# Altium PCB CoreBase-V2.0.PcbDoc (continued)
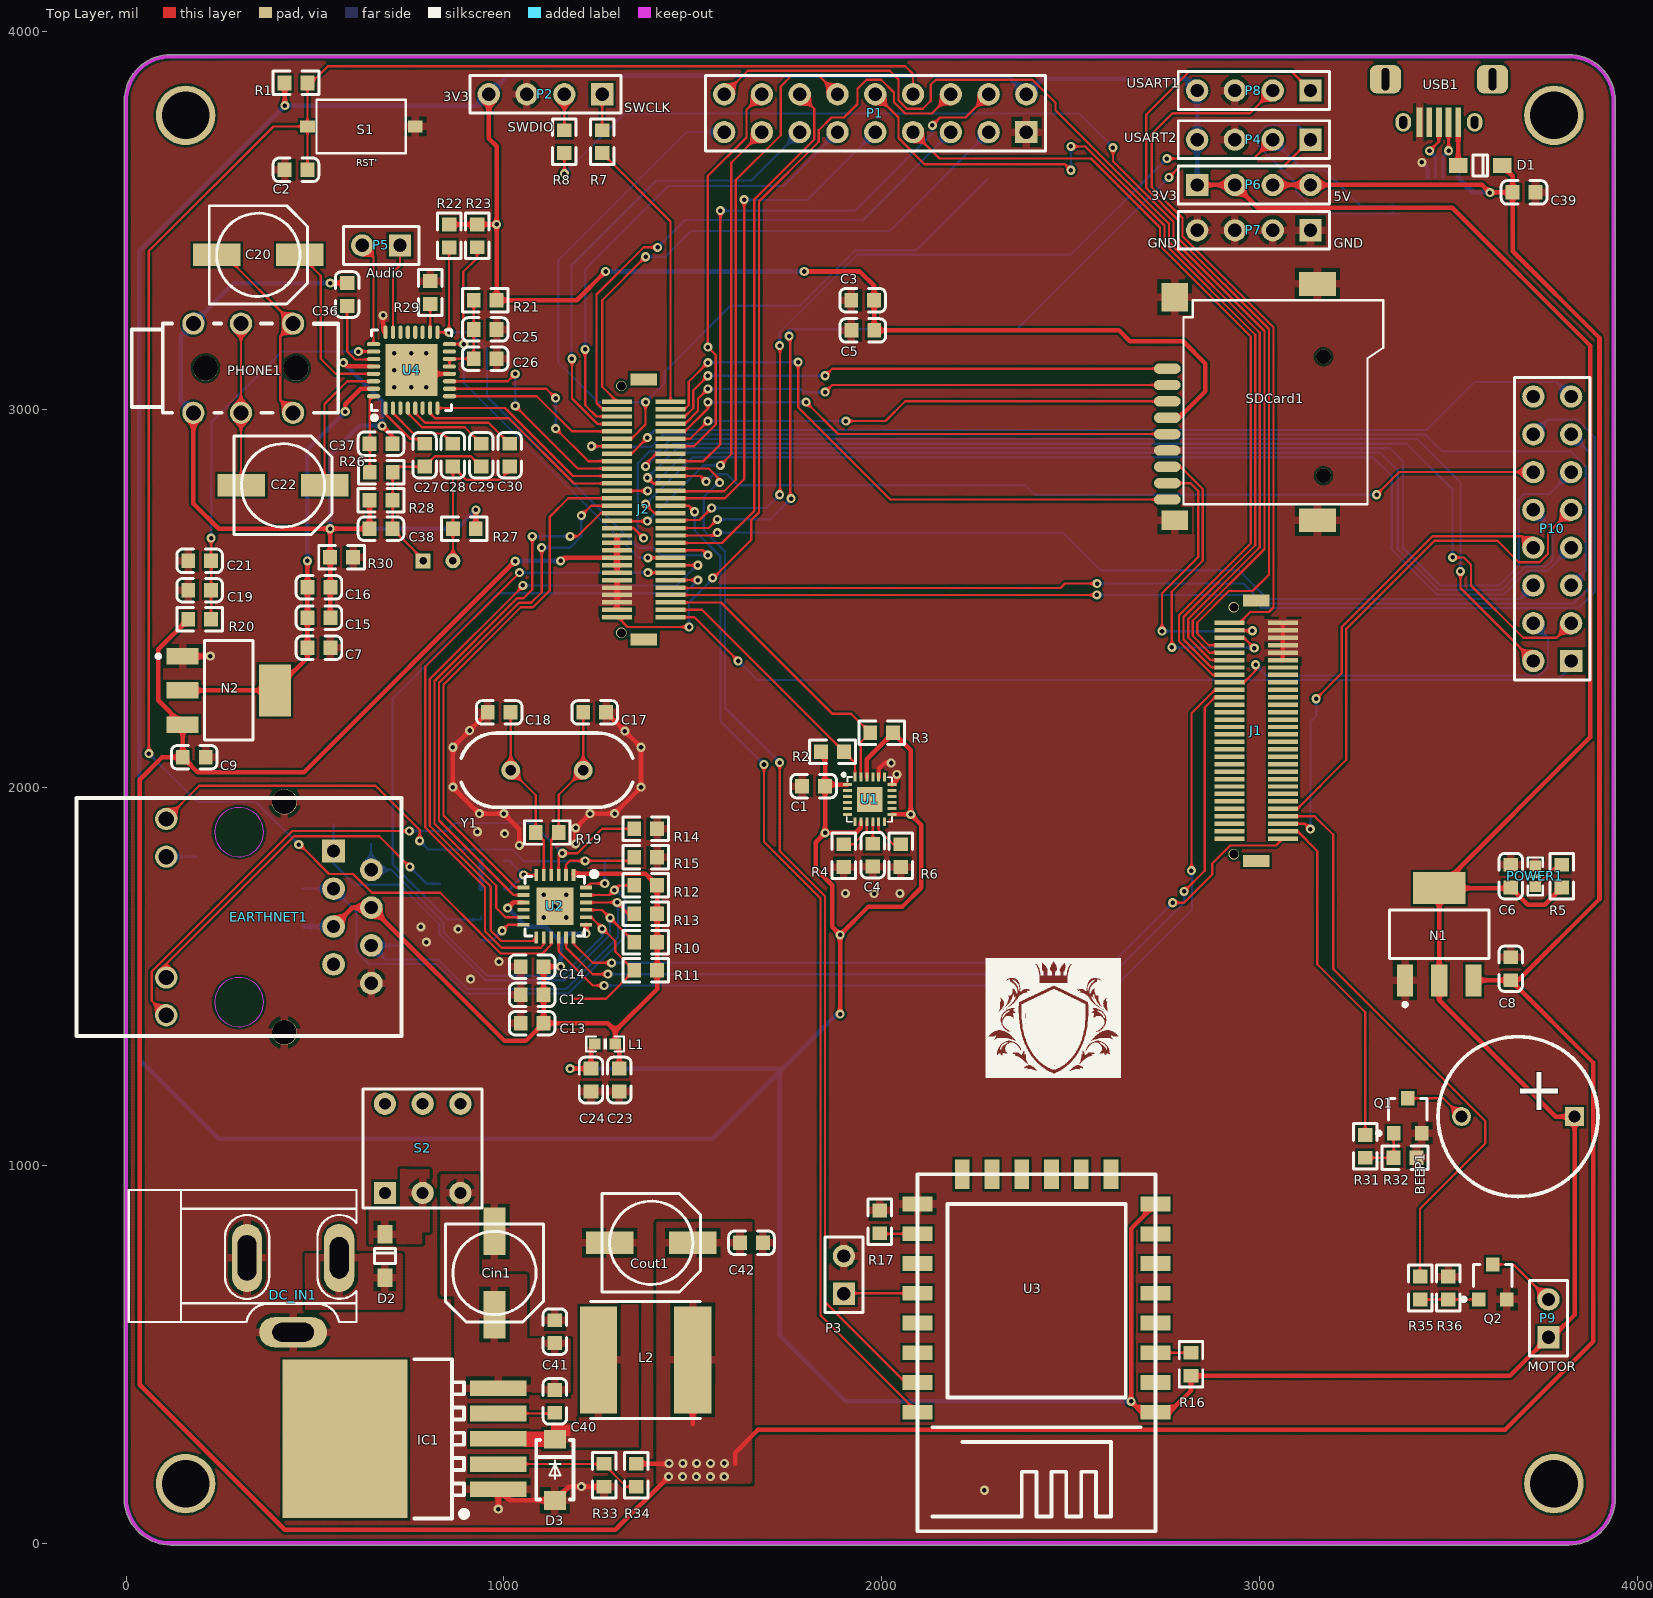
[diagram p0: Top Layer view]
## Footprints (in the part's own frame and the unit in brackets; to place one, negate y for a bottom-side part, rotate by r counter-clockwise, add the part's x,y. Pads: shape width x height; smd on the part's side, far side on the other; paste and mask are expansions set on the pad) (continued)
SD_CARD [mm]
  rect 1.6x2.5 smd: 0(-7.953,3.429) 0(7.947,3.429)
  rect 1.9x1.8 smd: 0(-7.053,-6.171)
  rect 1.3x1.8 smd: 0(7.947,-6.171)
  oval 0.7x1.8 smd: 1(-2.253,-6.671) 2(-1.153,-6.671) 3(-0.053,-6.671) 4(1.047,-6.671) 5(2.147,-6.671) 6(3.247,-6.671) 7(4.347,-6.671) 8(5.447,-6.671) 9(6.547,-6.671)
  round 1 hole 1: 14(-3.053,3.829) 15(4.947,3.829)
  silkscreen extent -6.86,-5.59 6.86,7.85
SMA(DO-214AC) [mil]
  rect 50x57.9 smd: 1(-81,0) 2(81,0)
  silkscreen extent -78,-49 79,49
SOD-123 [mm]
  rect 1.25x1 smd: 1(1.475,0) 2(-1.475,0)
  silkscreen extent -0.5,-0.7 0.5,0.7, body extent -1.85,-0.77 1.85,0.78, height 1.35
SOT12-7.6 [mil]
  rect 50x50 hole 32: 1(0,0)
  round 50 hole 32: 2(299.21,0)
  silkscreen extent -62,-212 361,212
SOT223 [mm]
  rect 1.1x2.15 smd: 1(-1.973,-3.064) 2(0.327,-3.064) 3(2.627,-3.064)
  rect 3.5x2.15 smd: 4(0.327,3.136)
  silkscreen extent -3.02,-4.81 3.68,1.66
SOT-23R [mm]
  rect 0.9x0.95 smd: 1(0.95,-1.048) 2(-0.95,-1.048) 3(0,1.302)
  silkscreen extent -2.07,-1.17 1.3,1.3
SW-3625 [mm]
  rect 1x0.8 smd: 1(0,0) 2(-7.25,0)
  silkscreen extent -6.6,-1.8 -0.6,1.8, body extent -7.63,-1.77 0.37,1.83
SW-DPDT [mm] "Double-Pole, Double-Throw Switch; 6 Leads"
  rect 1.5x1.5 hole 0.8: 1(-3,2.54)
  round 1.5 hole 0.8: 2(-3,0) 3(-3,-2.54) 4(3,-2.54) 5(3,0) 6(3,2.54)
  silkscreen extent -4,-4 4,4, body extent -4,-4 4,4, height 15
TO-263-5 [mm]
  rect 8.4x10.65 smd: 0(-10.3,0)
  rect 3.8x1.05 smd: 1(0,-3.4) 2(0,-1.7) 3(0,0) 4(0,1.7) 5(0,3.4)
  silkscreen extent -5.65,-5.35 -2.1,5.35
WM8978 [mm]
  oval 0.9x0.28 smd: 1(-2.55,1.75) 2(-2.55,1.25) 3(-2.55,0.749) 4(-2.55,0.249) 5(-2.55,-0.249) 6(-2.55,-0.749) 7(-2.55,-1.25) 8(-2.55,-1.75) 17(2.55,-1.75) 18(2.55,-1.25) 19(2.55,-0.749) 20(2.55,-0.249) 21(2.55,0.249) 22(2.55,0.749) 23(2.55,1.25) 24(2.55,1.75)
  oval 0.28x0.9 smd: 9(-1.75,-2.55) 10(-1.25,-2.55) 11(-0.749,-2.55) 12(-0.249,-2.55) 13(0.249,-2.55) 14(0.749,-2.55) 15(1.25,-2.55) 16(1.75,-2.55) 25(1.75,2.55) 26(1.25,2.55) 27(0.749,2.55) 28(0.249,2.55) 29(-0.249,2.55) 30(-0.749,2.55) 31(-1.25,2.55) 32(-1.75,2.55)
  rect 3.5x3.5 smd: 33(0,0)
  silkscreen extent -3.35,-2.7 2.7,2.7
XTAL_US [mil]
  round 50 hole 28: 1(0,0) 2(192.13,0)
  silkscreen extent -131,-98 323,98

## Part data
C1 C2 C3 C4 C5 C10 C11 C12 C13 C14 C15 C16 C17 C18 C19 C21 C23 C24 C25 C26 C27 C28 C29 C30 C31 C32 C33 C34 C35 C36 C37 C38 C39 C40 C41 C42: library part C
C6 C7 C8 C9: library part 普通贴片电容, "Capacitor"
C20 C22 Cin1 Cout1: library part CAP
D1 D2: library part D
D3: "Zener Diode"
DC_IN1: library part POW
EARTHNET1: library part HR911105
L1: library part L
L2: library part L_SOP
P1: "Header, 9-Pin, Dual row"
P2: library part "Header 4", "Header, 4-Pin"
P3 P5 P9: "Header, 2-Pin"
P4 P6 P7 P8: "Header, 4-Pin"
P10: "Header, 8-Pin, Dual row"
PHONE1: library part PHONE_M
Q1 Q2: library part NPN, "8050/BCW846/BCW847"
R1 R2 R3 R4 R6 R7 R8 R9 R10 R11 R12 R13 R14 R15 R16 R17 R18 R19 R20 R21 R22 R23 R24 R25 R26 R27 R28 R29 R30 R31 R32 R33 R34 R35 R36: library part R
R5: library part Res
S2: "Double-Pole, Double-Throw Switch"
U2: library part LAN8720, "ETH PHY"
U4: "24bit ADC&DAC"
USB1: library part "micro usb"
Y1: library part XTAL, "Crystal Oscillator"

## Free pads (board coordinates)
  round 157.48 hole 125.98: 1(157.48,3779.53) 2(3779.53,3779.53) 3(3779.53,157.48) 4(157.48,157.48)

## Via types
v1: diameter 24, hole 12, Top Layer to Bottom Layer, tented both sides, 178 vias
v2: diameter 27.56, hole 23.62, Top Layer to Bottom Layer, 4 vias

## Nets (pads, with @x,y where several pads share a name; then routed paths per layer and width w, separated by ;. In a path a pad name is that pad's centre, name@x,y a point inside that pad or via, vN(x,y) a via of type N, cw(c..) or ccw(c..) an arc to the next point about the centre after c; other vN are vias at no path point)
3V3: BEEP1.1 C1.1 C3.2 C5.2 C6.1 C24.2 L1.2 N1.2 N1.4 P1.2 P2.4 P4.4 P6.1 P6.2 P8.4 P9.1 R1.1 R2.2 R3.2 R5.1 R16.1 R21.2 R22.1 R23.1 SDCard1.4 U1.1 U1.8 U1.13 U1.22 U3.1 U3.8 | length 21049.1
  Top Layer w12: R1.1 420,3864.37 v1(420,3805) ; R22.1 928.88,3490.51 R23.1 v1(980.63,3490.63) 980.63,3697.37 960,3718 P2.4 ; v1@980.63,3489 R21.2 1193,3290 v1(1269,3366) ; v1(1175.06,1256.06) C24.2 1230.5,1311.06 L1.2 ; v1(1795,3366) 1942,3366 1980,3328 C3.2 1980.32,3289.68 C5.2 2628,3210 2657,3181 2798,3181 2857,3122 2857,3049 2786.92,2978.92 SDCard1.4 ; R2.2 1850,2084.37 C1.1@1850,2010 ; v1(1890,1400) v1(1890,1610) ; U1.1 1852.13,2007.87 C1.1@1850,2010 ; U1.8 1944.81,1909.38 1944.81,1893.82 1931.3,1880.31 1850.31,1880.31 v1(1850,1880) ; U1.22 1960.63,2075.31 R3.2 2076.88,2098.43 v1(2076.88,1929.13) ; U1.13 v1(2076.88,1929.13) ; U3.1@2688.7,346.3 v1(2660,375) 2660,832.51 U3.8 ; U3.1 2761.3,346.3 2818.75,403.75 R16.1 3663.12,443.12 P9.1 3775,545 3834,604 BEEP1.1 3784,1129 3475.83,1437.17 N1.2 N1.4 ; P6.1 P6.2 2995,3535 3510,3535 3875,3170 3875,2132.85 N1.4 ; R5.1 3755,1690 3710,1690 C6.1 3663.68,1733.68 N1.4 ; v1(1850,1880) C1.1 C1.1@1850,2010 ; v1(1850,1880) 1825,1855 1825,1785 1868.71,1741.29 1868.71,1631.29 v1(1890,1610) ; v1(1890,1610) 1965,1685 2055,1685 2105,1735 2105,1901.02 v1(2076.88,1929.13)
  Bottom Layer w12: v1(1175.06,1256.06) 1731.94,1256.06 1734.72,1253.28 ; v1(1269,3366) v1(1795,3366) ; v1(1890,1400) 1881.43,1400 1734.72,1253.28 ; v1(2660,375) 1905.13,375 1730,550.13 1730,1248.57 ; P6.1 P8.4 2803.47,3876.53 2424.53,3876.53 P1.2 2334,3884 1009,3884 P2.4 930,3805 v1(420,3805) 35,3420 35,1280 245,1070 1551.43,1070 1730,1248.57 ; 1730,1248.57 1734.72,1253.28
3V3A: C7.1 C15.2 C16.1 N2.2 N2.4 U4.31 | length 1171.1
  Top Layer w12: N2.2 N2.4 480,2343.66 C7.1 C15.2 C16.1 v1(480,2600) ; v1(580,2995) 580,3015 620.6,3055.6 U4.31
  Bottom Layer w12: v1(480,2600) 480,2895 v1(580,2995)
3V3E: C12.2 C13.2 C14.2 C23.2 C31.2 EARTHNET1.4 EARTHNET1.5 L1.1 R10.2 R11.2 R12.2 R13.2 U2.1 U2.9 U2.19 | length 2379.3
  Top Layer w12: EARTHNET1.5 599,1682.2 EARTHNET1.4 1001.93,1329.26 1058.26,1329.26 C13.2 ; v1(1010,1681) 1024.84,1695.84 U2.9 ; v1(1150,1526) C14.2 C12.2 C13.2 ; U2.1 1184.21,1772.29 1374.34,1772.29 R12.2 R13.2 R10.2 R11.2 1405.63,1466.63 1295,1356 ; v1(1217.72,1613.28) U2.19 ; C23.2 1305.5,1310.5 L1.1 1295,1356 ; C13.2 1275,1376 1295,1356
  Bottom Layer w12: C31.2 EARTHNET1.5 ; v1(1010,1681) 1059,1632 1109,1632 1150,1591 ; v1(1150,1526) 1150,1591 ; v1(1217.72,1613.28) 1172.28,1613.28 1150,1591
5V: C8.1 C9.1 C39.2 C42.2 Cout1.1 D1.2 J2.19 J2.20 J2.21 J2.22 J2.23 J2.24 L2.1 N1.3 N2.3 P6.3 P6.4 R20.2 R34.2 U5.7 U5.8 | length 12220.2
  Top Layer w12: R20.2 85,2365.63 85,2230.94 N2.3 150,2165.94 C9.1 ; v1(1030,2599) 1029,2599 470,2040 190,2040 C9.1 ; v1(1150,2600) 1158.15,2608.15 J2.22 ; J2.24 J2.23 J2.22 ; J2.19 J2.20 J2.21 J2.22 ; R34.2 v1@1432,210 ; v1(1436,176) 1295,35 420,35 36,419 36,2021 95,2080 C9.1 ; 1500,315 L2.1 ; 1612,210 1612,239.6 1672.4,300 3650,300 3883,533 3883,1272 C8.1 ; P6.3 P6.4 3590,3595 v1(3610,3575) 3610.31,3575.31 C39.2 ; N1.3 3566.8,1490 C8.1 ; D1.2 3670,3618.5 C39.2 ; C8.1 3685,1490 3900,1705 3900,3190 3670,3420 C39.2
  Bottom Layer w12: v1(1030,2599) 1030,2600 v1(1150,2600) ; U5.7 U5.8 3563.87,3575.82 3609.18,3575.82 v1(3610,3575)
  other v1: 1472.8,176 1509.6,176 1546.4,176 1583.2,176 1437,211 1473.6,211 1510.2,211 1546.8,211 1583.4,211
AGND: C15.1 C16.2 C36.1 C37.1 C38.1 PHONE1.3 R27.1 R28.1 R30.1 U4.28 | length 2933.3
  Top Layer w12: PHONE1.3@178.11,2991.89 178.11,2751.89 245,2685 v1(540,2685) ; v1(540.32,3335.32) C36.1 ; C15.1 C16.2 540.63,2609.37 R30.1 v1(540,2685) ; v1(575,3125) 585.4,3114.6 U4.28 ; R28.1 C38.1 v1(540,2685) ; v1(677.5,2957.5) 705,2930 C37.1 ; R27.1 v1(925.63,2735)
  Bottom Layer w12: PHONE1.3@178.11,2991.89 145,3025 145,3195 178.11,3228.11 285.31,3335.32 v1(540.32,3335.32) ; v1(575,3125) 677.5,3022.5 v1(677.5,2957.5) 617.5,2957.5 540,2880 v1(540,2685) 875.63,2685 v1(925.63,2735)
BEEP: J1.32 R31.1 | length 916.7
  Top Layer w6: J1.32 3100.43,1884.67 3153,1832.1 3153,1532 3280,1405 R31.1
DCMI_D0: J1.8 P1.7 | length 2202
  Top Layer w6: P1.7 2153,3665 2554.09,3665 2736.47,3482.62 2736.47,3434.19 2977,3193.66 2977,2646.18 2787.17,2456.35 2787.17,2386.92 2876.03,2298.06 J1.8
DCMI_D1: J1.7 P1.10 | length 2456.3
  Top Layer w6: P1.10 2044.47,3773.53 2044.47,3719.04 2113.51,3650 2485,3650 v1(2501,3634) ; v1(2501,3697) 2539.06,3697 2748.47,3487.59 2748.47,3439.16 2989,3198.63 2989,2641.21 2799.17,2451.38 2799.17,2391.89 2873.32,2317.74 J1.7
  Bottom Layer w6: v1(2501,3634) v1(2501,3697)
DCMI_D2: J2.47 P1.9 | length 1377
  Top Layer w6: J2.47 1441.21,2766 1585,2766 1636,2817 v1(1636,3556)
  Bottom Layer w6: v1(1636,3556) 1636.5,3555.5 1803.5,3555.5 1884,3636 P1.9
DCMI_D3: J2.48 P1.12 | length 1460.3
  Top Layer w6: J2.48 1442.16,2784 1583,2784 1614,2815 1614,3608 1732.47,3726.47 1732.47,3855.93 1762.07,3885.53 1832.47,3885.53 P1.12
DCMI_D4: J2.3 P1.11 | length 1274.8
  Top Layer w6: v1(1215,3160) 1215,3011.97 1244.81,2982.17 J2.3
  Bottom Layer w6: v1(1215,3160) 1215,3372 1435,3592 1740,3592 P1.11
DCMI_D5: J2.41 P1.14 | length 1441.2
  Top Layer w6: J2.41 1577.52,2647.52 1663,2733 1663,3557 1821.53,3715.53 1821.53,3796.47 P1.14
DCMI_D6: J2.4 P1.13 | length 1251.8
  Top Layer w6: v1(1180,3135) 1180,3030 1247.52,2962.48 J2.4
  Bottom Layer w6: v1@1185,3135 1179,3141 1179,3382 1404,3607 1655,3607 P1.13
DCMI_D7: J2.54 P1.16 | length 1086
  Top Layer w6: J2.54 1503.12,2903.43 1561,2961.3 1561,3144.7 v1(1539.7,3166) 1539.7,3618.7 1642,3721 1642,3794 P1.16
DCMI_HSYNC: J2.30 P1.6 | length 2200.1
  Top Layer w6: J2.30@1260.79,2450.67 J2.30 1301.8,2450.67 1327.47,2425 v1(1490,2425) ; v1(1552.5,2555) 1555,2555 1655,2655 1655,2708.03 1675,2728.03 1675,3551 1833.53,3709.53 1833.53,3740.01 1867.04,3773.53 1900,3773.53 1936,3809.53 1936,3850 1959.53,3873.53 1998.96,3873.53 2032.47,3840.01 2032.47,3814.07 2062.07,3784.47 2132.47,3784.47 P1.6
  Bottom Layer w6: v1(1490,2425) 1490,2490 1552.5,2552.5 v1(1552.5,2555)
DCMI_PIXCLK: J2.17 P1.15 | length 1263.4
  Top Layer w6: J2.17 1300.68,2705 v1(1380,2705) ; v1(1573,2853) 1602,2882 1602,3654 P1.15
  Bottom Layer w6: v1(1380,2705) 1528,2853 v1(1573,2853)
DCMI_VSYNC: J2.52 P1.4 | length 1619.9
  Top Layer w6: J2.52 1528.06,2864.06 1573,2909 v1(1573,3527) v1@1573,3528 ; v1(2134,3753) 2154.53,3773.53 2221.53,3773.53 P1.4
  Bottom Layer w6: v1(1573,3527) 1929.49,3527 2134,3731.51 v1(2134,3753)
DCMI_XCLK: J1.6 P1.18 | length 2911.2
  Top Layer w6: P1.18 1645.53,3897.53 2021.47,3897.53 2044.47,3874.53 2044.47,3819.04 2067.04,3796.47 2108.47,3796.47 2130,3818 2130,3860 2143.53,3873.53 2398.96,3873.53 2460,3812.49 2460,3793.03 2760.47,3492.56 2760.47,3444.13 3001,3203.6 3001,2636.24 2811.17,2446.41 2811.17,2396.86 2870.6,2337.43 J1.6
ETH_MDC: J2.38 U2.13 | length 1778
  Top Layer w6: v1(1050,2535) 1050,2533.03 804,2287.03 804,1898.97 965,1737.97 965,1621.3 992.65,1593.65 1076.16,1593.65 U2.13 ; J2.38 v1(1513.46,2588.46)
  Bottom Layer w6: v1(1050,2535) 1456.93,2535 1511.93,2590 v1(1513.46,2588.46)
ETH_MDIO: J2.36 R9.1 | length 1749.4
  Top Layer w6: J2.36 v1(1513.46,2549.09)
  Bottom Layer w6: R9.1 939.37,1650.62 851.38,1650.62 706,1796 706,2236 984,2514 1478.37,2514 v1(1513.46,2549.09)
ETH_RESET: C2.1 P1.8 R1.2 S1.1 U2.15 | length 5113.9
  Top Layer w6: v1(60,2090) 60,3420 390,3750 S1.1 ; v1(457,1849) 459.47,1849 537.27,1771.2 600.8,1771.2 650.8,1721.2 831.8,1721.2 938,1615 938,1614.36 991.36,1561 1101.87,1561 1125.16,1584.29 U2.15 ; C2.1 S1.1 ; P1.8 2083,3889 2062.47,3909.53 534.53,3909.53 490,3865 R1.2 S1.1
  Bottom Layer w6: v1(60,2090) 188,1962 344,1962 v1(457,1849)
GND: C1.2 C2.2 C3.1 C4.1 C5.1 C6.2 C7.2 C8.2 C9.2 C10.1 C11.1 C12.1 C13.1 C14.1 C17.1 C18.1 C19.2 C21.1 C23.1 C24.1 C25.1 C26.1 C31.1 C32.1 C33.1 C34.1 C35.1 C39.1 C41.1 C42.1 Cin1.2 Cout1.2 D3.1 DC_IN1.2 DC_IN1.3 EARTHNET1.8 EARTHNET1.13 EARTHNET1.14 IC1.1 J1.55 J1.56 J1.57 J1.58 J1.59 J1.60 J2.25 J2.26 J2.27 J2.28 J2.29 N1.1 N2.1 P1.1 P2.3 P3.2 P4.3 P7.1 P7.2 P7.3 P7.4 P8.3 POWER1.2 Q1.1 Q2.1 R4.1 R6.1 R14.2 R15.2 R17.2 R18.1 R24.1 R25.1 R29.1 R30.2 R32.1 R33.1 R36.1 S1.2 SDCard1.0 SDCard1.6 U1.18 U1.20 U2.25 U3.15 U4.12 U4.24 U4.33 U5.3 USB1.5 | length 1973.9
  Top Layer w12: N2.1 v1(222.68,2347.68) ; v1(680,3250) 680,3211.7 U4.24 ; U4.33 765.2,3095 U4.12 ; C18.1 v1(909.37,2151) v1(865,2106.63) v1(865,2001) v1(935,1931) v1(1000,1931) 1041,1890 v1(1041,1847) ; v1(985,90) IC1.1 1014.28,113 D3.1 1171.37,149.37 v1(1205,149.37) R33.1 ; v1(1190,1851) v1(1190,1893.13) v1(1227.87,1931) v1(1292.87,1931) v1(1362.87,2001) v1(1362.87,2106.63) v1(1320,2149.5) C17.1 ; J2.29 J2.28 J2.27 J2.26 J2.25 ; U1.20 1992.13,2049.56 2007.57,2065 v1(2025,2065) ; U1.18 2040,2020.31 v1(2040,2035) ; J1.55 J1.56 J1.57 J1.58 J1.59 J1.60
  Bottom Layer w12: C11.1 C10.1 ; v1(3430,3655) 3445.94,3639.06 U5.3
  other v1: 2272,140 912,1493 987,1539 795,1591 879,1625 780,1631 1105,1656 1165,1656 1135,1686 1105,1716 1165,1716 1980,1719 1904,1720 2048,1720 1002,1878 930,1883 710,3060 755,3060 795,3060 710,3105 710,3150 755,3150 795,3150
LINK_LED: EARTHNET1.12 R14.1 U2.3 | length 1693.5
  Top Layer w6: EARTHNET1.12 67.56,1435.68 67.56,1512.96 439.6,1885 v1(750,1885) ; U2.3 1144.84,1815.84 v1(1155,1826) 1194.7,1826 1259.7,1891 R14.1
  Bottom Layer w6: v1(750,1885) 849,1885 870,1906 1075,1906 v1(1155,1826)
MOTOR: J1.34 R35.1 | length 1560.8
  Top Layer w6: J1.34 3145.96,1924.04 3195,1875 3195,1520 3597.62,1117.38 3597.62,1057.62 3425,885 R35.1
MPU_IIC_SCL: J2.33 R3.1 U1.23 | length 799.5
  Top Layer w6: J2.33 1574.96,2490.04 1870,2195 1919.69,2195 R3.1 1944.88,2120.2 U1.23
MPU_IIC_SDA: J2.32 R2.1 U1.24 | length 694.1
  Top Layer w6: J2.32 1524.65,2470.35 R2.1 1929.13,2065.87 U1.24
NetBEEP1_2: BEEP1.2 Q1.3 | length 162.3
  Top Layer w6: Q1.3 3486.27,1177.52 BEEP1.2
NetC4_2: C4.2 U1.10 | length 58.1
  Top Layer w6: C4.2 U1.10
NetC10_2: C10.2 C11.2 U2.6 | length 169.1
  Top Layer w6: v1(1052.28,1768.72) U2.6
  Bottom Layer w6: C11.2 1014.55,1731 v1(1052.28,1768.72) 1015,1806 C10.2
NetC17_2: C17.2 R19.1 U2.4 Y1.1 | length 465.3
  Top Layer w6: U2.4 1125.16,1861.16 R19.1 1145,1981 Y1.1 C17.2
NetC18_2: C18.2 R19.2 U2.5 Y1.2 | length 466.4
  Top Layer w6: C18.2 Y1.2 1084.37,1979.5 R19.2 1105.47,1859.9 U2.5
NetC19_1: C19.1 C21.2 R20.1 U4.26 | length 1129.6
  Top Layer w6: R20.1 C21.2 ; 225,2500 C21.2 ; v1(225,2660) C21.2 ; v1(615,3154) U4.26
  Bottom Layer w6: v1(225,2660) 225,2967.28 411.72,3154 v1(615,3154)
NetC20_1: C20.1 U4.29 | length 454.4
  Top Layer w6: C20.1 515,3355 515,3135 554.8,3095.2 654.8,3095.2 U4.29
NetC20_2: C20.2 PHONE1.1 | length 541.8
  Top Layer w6: C20.2 260,3410 441.89,3228.11 408,3194.22 408,3025.78 PHONE1.1@441.89,2991.89
NetC22_1: C22.1 U4.30 | length 369.9
  Top Layer w6: C22.1 525.24,3015.24 585.3,3075.3 U4.30
NetC22_2: C22.2 PHONE1.2 | length 428.5
  Top Layer w6: PHONE1.2@304.09,3228.11 304.09,2991.89 304.09,2800.91 C22.2
NetC25_2: C25.2 C26.2 R21.1 U4.13 U4.14 | length 239.2
  Top Layer w6: U4.13 U4.14 856.5,3135 C26.2 C25.2 R21.1
NetC27_1: C27.1 U4.1 | length 151.9
  Top Layer w6: U4.1 686.5,2988.5 752.5,2922.5 777.5,2922.5 C27.1
NetC27_2: C27.2 C29.2 C38.2 MIC1.1 R26.2 R28.2 | length 531.9
  Top Layer w6: MIC1.1 786.26,2603.74 C38.2 705.63,2685.63 R26.2 720,2849.37 C27.2 817.31,2876.68 912.69,2876.68 C29.2
NetC28_1: C28.1 U4.2 | length 205.5
  Top Layer w6: U4.2 706.2,2991.37 760.27,2937.31 837.69,2937.31 C28.1
NetC28_2: C28.2 C30.2 MIC1.2 R27.2 | length 433.3
  Top Layer w6: MIC1.2 R27.2 C28.2 899.37,2815 990,2815 1015,2840 C30.2
NetC29_1: C29.1 U4.4 | length 241.2
  Top Layer w6: U4.4 745.6,2991.27 783.19,2953.68 896.32,2953.68 C29.1
NetC30_1: C30.1 U4.5 | length 296.5
  Top Layer w6: U4.5 765.2,2991.37 790.89,2965.68 959.32,2965.68 C30.1
NetC36_2: C36.2 U4.27 | length 205.1
  Top Layer w6: C36.2@585,3280 C36.2 585,3154.3 606.3,3133 653.7,3133 U4.27
NetC37_2: C37.2 R26.1 U4.32 | length 205
  Top Layer w6: R26.1 645,3025.9 U4.32
NetC40_1: C40.1 IC1.4 | length 150.8
  Top Layer w6: IC1.4 1133.07,343.07 C40.1
NetC40_2: C40.2 C41.2 Cin1.1 IC1.5 S2.3
NetD1_1: D1.1 USB1.1 | length 114.6
  Top Layer w12: D1.1 USB1.1
NetD2_1: D2.1 DC_IN1.1
NetD2_2: D2.2 S2.2
NetD3_2: D3.2 IC1.3 L2.2 | length 245.5
  Top Layer w6: D3.2@1133.86,276.14 D3.2
  Top Layer w12: IC1.3 D3.2@1133.86,276.14 ; L2.2@1250,390 L2.2
NetEARTHNET1_10: EARTHNET1.10 R24.2 | length 79.9
  Bottom Layer w6: EARTHNET1.10 R24.2
NetEARTHNET1_11: EARTHNET1.11 R25.2 | length 952
  Top Layer w6: EARTHNET1.11 106.09,1533.09 444.2,1871.2 669.8,1871.2 v1(751,1790)
  Bottom Layer w6: v1(751,1790) 795.32,1745.68 R25.2
NetIC1_2: IC1.2 R33.2 R34.1 | length 389.8
  Top Layer w6: IC1.2 1264.21,209.21 1324.06,149.37 R34.1
NetP2_1: P2.1 R7.2 | length 95
  Top Layer w6: R7.2 P2.1
NetP2_2: P2.2 R8.2 | length 95
  Top Layer w6: R8.2 P2.2
NetP3_1: P3.1 U3.18 | length 195.6
  Top Layer w6: P3.1 1901.36,661.36 U3.18
NetP5_1: P5.1 U4.23 | length 237.6
  Top Layer w6: U4.23 706.2,3363.2 725,3382 P5.1
NetP5_2: P5.2 U4.25 | length 273.7
  Top Layer w6: P5.2 655,3405 U4.25
NetP9_2: P9.2 Q2.3 | length 185.7
  Top Layer w6: Q2.3 3672.48,737.52 P9.2
NetPOWER1_1: POWER1.1 R5.2 | length 100.1
  Top Layer w6: POWER1.1 3777,1785 3800,1785 R5.2
NetQ1_2: Q1.2 R31.2 R32.2 | length 140.1
  Top Layer w6: R31.2 R32.2 3355.2,1020.2 Q1.2
NetQ2_2: Q2.2 R35.2 R36.2 | length 155.2
  Top Layer w6: R35.2 R36.2 Q2.2
NetR4_2: R4.2 U1.9 | length 99
  Top Layer w6: R4.2 1924.67,1850 1960.63,1885.96 U1.9
NetR6_2: R6.2 U1.11 | length 95.1
  Top Layer w6: U1.11 1992.13,1887.87 2030,1850 R6.2
NetR9_2: R9.2 U2.12 | length 129.8
  Top Layer w6: v1(995,1621) 1010.79,1636.79 U2.12
  Bottom Layer w6: R9.2 970,1596 v1(995,1621)
NetR16_2: R16.2 U3.3 | length 93.8
  Top Layer w6: U3.3 R16.2
NetR17_1: R17.1 U3.16 | length 100.5
  Top Layer w6: R17.1 1996.2,818.8 U3.16
NetR18_2: R18.2 U2.24 | length 133.4
  Top Layer w6: U2.24 1228.51,1746 1259,1746 1267,1738 v1(1267,1746)
  Bottom Layer w6: v1(1267,1746) 1267,1803 R18.2
NetR29_2: R29.2 U4.18 | length 75
  Top Layer w6: U4.18 805,3205.6 R29.2
OV_PWDN: J2.6 P1.17 | length 2441.5
  Top Layer w6: J2.6 1337.43,2923.11 1375,2960.68 v1(1375,3020)
  Bottom Layer w6: P1.17 1484,3735 1144,3395 1144,3126 1250,3020 v1(1375,3020) 1425.61,3070.61 1425.61,3100.61 1600,3275 1783.03,3275 1930.03,3422 2092,3422 2280,3610
OV_SCL: J2.1 P1.3 | length 1492
  Top Layer w6: J2.1 1260,3060.65 1260,3290 v1(1375,3405)
  Bottom Layer w6: v1(1375,3405) 1427,3405 1495,3473 2021,3473 P1.3
OV_SDA: J2.2 P1.5 | length 1464.1
  Top Layer w6: J2.2 1260.79,3001.85 1245,3017.64 1245,3305 1370,3430 v1(1407,3430)
  Bottom Layer w6: v1(1407,3430) 1479.5,3502.5 1950.5,3502.5 P1.5
PA1: J2.37 U2.14 | length 1713.6
  Top Layer w6: v1(1041.22,2568.78) 792,2319.56 792,1894 950,1736 950,1619.33 993.33,1576 1097.18,1576 1105.47,1584.29 U2.14 ; v1(1381.22,2568.78) J2.37
  Bottom Layer w6: v1(1041.22,2568.78) v1(1381.22,2568.78)
PA3: J2.31 P10.1 | length 2482.7
  Top Layer w6: J2.31 1504.33,2450.67 v1(1620,2335)
  Bottom Layer w6: v1(1620,2335) 1670.53,2284.47 3789.47,2284.47 3825,2320 P10.1
PA5: J2.18 P10.2 | length 3092
  Top Layer w6: J2.18 1343.11,2686.89 v1(1370,2660) ; v1(3532,2572) 3532,2528 P10.2
  Bottom Layer w6: v1(1370,2660) 1354,2676 1354,2858.7 1385.3,2890 1410.03,2890 1442.34,2922.31 3417.69,2922.31 3532,2808 v1(3532,2572)
PA7: J2.16 U2.11 | length 1501.1
  Top Layer w6: U2.11 1004.53,1656.47 980,1681 980,1739.94 816,1903.94 816,2282.06 1034.94,2501 1052,2501 1075,2524 v1(1075,2665) ; v1(1175,2665) 1195,2665 1256.26,2726.26 J2.16
  Bottom Layer w6: v1(1075,2665) v1(1175,2665)
PA9: J1.4 P8.1 | length 2225.2
  Top Layer w6: J1.4 2865.84,2376.8 2835.17,2407.47 2835.17,2436.47 2918.7,2520 2981.7,2520 3025,2563.3 3025,3213.54 2784.47,3454.07 2784.47,3502.5 2700,3586.97 2700,3781.46 2814.07,3895.53 3084.47,3895.53 P8.1
PA10: J1.1 P8.2 | length 1887.8
  Top Layer w6: J1.1 2946.85,2435.85 2975.75,2464.75 3025,2464.75 3037,2476.75 3037,3218.51 2796.47,3459.04 2796.47,3507.47 2715,3588.94 2715,3730 2770,3785 2975,3785 P8.2
PA15: J2.59 SDCard1.9 | length 1624
  Top Layer w6: J2.59 1479.16,3001.85 1489.21,3011.9 1489.21,3074.21 v1(1540,3125) ; v1(1779,3126) 1779,3006 2022.61,2762.39 SDCard1.9
  Bottom Layer w6: v1(1540,3125) 1541,3126 v1(1779,3126)
PB0: J2.39 R23.2 U4.16 | length 1151
  Top Layer w6: U4.16 v1(893.7,3173.7) 892.69,3174.71 892.69,3365 929,3401.31 R23.2 ; v1(1381.22,2608.15) J2.39
  Bottom Layer w6: v1(893.7,3173.7) 893.7,3071.3 1356.85,2608.15 v1(1381.22,2608.15)
PB1: J2.40 R22.2 U4.17 | length 1374.8
  Top Layer w6: U4.17 v1(854.8,3205.2) R22.2 R22.2@854.8,3442 ; J2.40 1527.17,2627.83 v1(1540,2615)
  Bottom Layer w6: v1(854.8,3205.2) 910,3205.2 955,3160.2 955,3035 1355,2635 1395,2635 1415,2615 v1(1540,2615)
PB8: J2.53 P10.3 | length 2924.9
  Top Layer w6: v1(1375,2850) 1375,2856.22 1402.52,2883.74 J2.53 ; v1(3511,2609) 3541,2609 3560,2590 3560,2535 3698.53,2396.47 3786.47,2396.47 P10.3
  Bottom Layer w6: v1(1375,2850) 1403,2878 1415,2878 1447.31,2910.31 3389.69,2910.31 3511,2789 v1(3511,2609)
PB10: J1.9 P10.4 | length 1024.5
  Top Layer w6: J1.9 2958.7,2278.37 2990,2309.67 v1(2990,2325)
  Bottom Layer w6: v1(2990,2325) 3018.53,2296.47 3740.96,2296.47 3763.53,2319.04 3763.53,2396.47 P10.4
PB11: J1.10 U2.16 | length 2480.8
  Top Layer w6: U2.16 1144.84,1566.16 1235,1476 v1(1265,1476) ; v1(2820,1780) 2820,2196.63 2882.06,2258.68 J1.10
  Bottom Layer w6: v1(1265,1476) 2621,1476 2821.3,1676.3 2821.3,1778.7 v1(2820,1780)
PB12: J1.11 U2.17 | length 2386.6
  Top Layer w6: U2.17 1164.53,1576.47 1235,1506 v1(1275,1506) ; v1(2800.3,1725) 2855,1779.7 2855,2211.94 2882.06,2239 J1.11
  Bottom Layer w6: v1(1275,1506) 2611,1506 2801,1696 2801,1724.3 v1(2800.3,1725)
PB13: J1.31 U2.18 | length 2070.5
  Top Layer w6: U2.18 1184.21,1586.79 1235,1536 v1(1285,1536) ; v1@2771.43,1696.43 v1(2770,1695) 2800,1695 2875,1770 2875,1798.67 2922.75,1846.43 3043.55,1846.43 J1.31
  Bottom Layer w6: v1(1285,1536) 2611,1536 v1(2770,1695)
PC4: J2.15 U2.8 | length 1436.8
  Top Layer w6: U2.8 1025.47,1715.53 828,1913 828,2277.09 1039.91,2489 1072.03,2489 1100,2516.97 v1(1100,2635) ; v1(1205,2720) 1230.94,2745.94 J2.15
  Bottom Layer w6: v1(1100,2635) 1175,2635 1205,2665 v1(1205,2720)
PC5: J2.14 U2.7 | length 1415.2
  Top Layer w6: U2.7 1030.79,1735.21 840,1926 840,2272.12 1044.88,2477 1077,2477 1121,2521 1121,2716 1170.63,2765.63 J2.14
PC8: J1.3 SDCard1.7 | length 867.6
  Top Layer w6: SDCard1.7 2791,2849 2850,2790 2850,2600.47 2768,2518.47 v1(2768,2371) ; J1.3 2958.7,2396.48 v1(2986.18,2369)
  Bottom Layer w6: v1(2768,2371) 2984.18,2371 v1(2986.18,2369)
PC9: J1.2 SDCard1.8 | length 801.9
  Top Layer w6: v1(2742,2414) 2742,2514.33 2838,2610.33 2838,2785 2817.31,2805.69 SDCard1.8 ; J1.2 2921.54,2415 v1(2981,2415)
  Bottom Layer w6: v1(2742,2414) 2980,2414 v1(2981,2415)
PC10: J2.58 SDCard1.1 | length 1395.2
  Top Layer w6: J2.58 1479.16,2982.17 1501.21,3004.22 1501.21,3051.21 v1(1540,3090) ; v1(1850,3090) 1868.84,3108.84 SDCard1.1
  Bottom Layer w6: v1(1540,3090) v1(1850,3090)
PC11: J2.57 SDCard1.2 | length 1383.3
  Top Layer w6: J2.57 1479.16,2962.48 1514,2997.32 1514,3029 v1(1540,3055) ; v1(1850,3046.69) 1868.84,3065.54 SDCard1.2
  Bottom Layer w6: v1(1540,3055) 1785,3055 1793.31,3046.69 v1(1850,3046.69)
PC12: J2.56 SDCard1.5 | length 1391.7
  Top Layer w6: J2.56 1479.16,2942.8 1540,3003.63 v1(1540,3020) ; v1(1800,3020) 1884.39,2935.61 SDCard1.5
  Bottom Layer w6: v1(1540,3020) v1(1800,3020)
PC13: J2.7 P10.5 | length 3079.9
  Top Layer w6: v1(1231.57,2903.43) J2.7
  Bottom Layer w6: v1(1231.57,2903.43) 1233,2902 1390,2902 1422.31,2934.31 3438.72,2934.31 3483.03,2890 3824.49,2890 3863.53,2850.96 3863.53,2573.53 P10.5
PD2: J2.55 SDCard1.3 | length 1356.2
  Top Layer w6: J2.55 1493.11,2923.11 v1(1540,2970) ; v1(1905,2970) 2010,2970 2062.23,3022.23 SDCard1.3
  Bottom Layer w6: v1(1540,2970) v1(1905,2970)
PD4: J2.42 P10.6 | length 2375.2
  Top Layer w6: J2.42 1557.2,2667.2 v1(1565,2675)
  Bottom Layer w6: v1(1565,2675) 2480,2675 2580,2575 2945,2575 3021,2499 3689,2499 P10.6
PD5: J2.43 P4.1 U5.25 | length 3048
  Top Layer w6: J2.43 1541.89,2686.89 v1(1565,2710) ; v1(1755,3195) 1758,3192 1758,2767 v1(1760,2765) ; v1(2760,3615) 2790,3645 3065,3645 P4.1
  Bottom Layer w6: v1(1565,2710) 1705,2710 v1(1760,2765) ; v1(1755,3195) 1755,3213.03 2358.03,3213.03 v1(2760,3615) ; P4.1 3135,3720 3101.47,3753.53 3019.04,3753.53 2996.47,3730.96 2996.47,3699.04 3096.47,3599.04 3096.47,3579.04 3155.99,3519.53 U5.25
PD6: J2.44 P4.2 U5.26 | length 2672.5
  Top Layer w6: J2.44 1442.16,2707.89 1517.89,2707.89 v1(1550,2740) ; v1(1730,2775) 1731,2776 1731,3169 v1(1730,3170) ; v1(2755,3665) 2985,3665 P4.2
  Bottom Layer w6: v1(1550,2740) 1695,2740 v1(1730,2775) ; v1(1730,3170) 1730,3205 1935,3410 2500,3410 v1(2755,3665) ; P4.2 3116.47,3633.53 3173.53,3633.53 3267.84,3539.21 U5.26
PD7: J2.45 P10.7 | length 2893.2
  Top Layer w6: v1(1375,2750) 1398.74,2726.26 J2.45
  Bottom Layer w6: v1(1375,2750) 1499.31,2874.31 3300.69,2874.31 3350,2825 3350,2630 3469,2511 3646.51,2511 3709.04,2573.53 3763.53,2573.53 P10.7
PD11: J1.33 P10.8 | length 1267
  Top Layer w6: J1.33 3120.65,1904.35 v1(3135,1890) ; v1(3150,2235) 3218,2303 3218,2424.97 3458.03,2665 3695,2665 P10.8
  Bottom Layer w6: v1(3135,1890) 3135,2175 3150,2190 v1(3150,2235)
PD13: J1.35 P10.9 | length 1372.5
  Top Layer w6: J1.35 3100.43,1943.72 3230,2073.3 3230,2420 3463,2653 3629.94,2653 3686.47,2596.47 3740.96,2596.47 3763.53,2619.04 3763.53,2673.53 P10.9
PE6: J2.5 U4.9 | length 481.9
  Top Layer w6: U4.9 1087.1,3035.9 1180.2,2942.8 J2.5
PF6: J2.9 U4.10 | length 570.1
  Top Layer w6: U4.10 1112.4,3055.6 v1(1137,3031) ; v1(1137,2950) 1222.94,2864.06 J2.9
  Bottom Layer w6: v1(1137,2950) v1(1137,3031)
PF7: J2.10 U4.11 | length 605.1
  Top Layer w6: U4.11 1010.3,3075.3 v1(1030,3095) ; v1(1030,3010) 1195.63,2844.37 J2.10
  Bottom Layer w6: v1(1030,3010) v1(1030,3095)
PF8: J2.11 U4.8 | length 549.3
  Top Layer w6: U4.8 1002.94,3004.4 1182.65,2824.68 J2.11
PF9: J2.12 U4.7 | length 585.3
  Top Layer w6: U4.7 804.6,2990.4 817.32,2977.68 1012.68,2977.68 1185.37,2805 J2.12
PF10: J2.13 P10.10 | length 2977.7
  Top Layer w6: J2.13 v1(1380.31,2785.31)
  Bottom Layer w6: v1(1380.31,2785.31) 1481.31,2886.31 3320,2886.31 3366.31,2840 3366.31,2630.66 3473.97,2523 3641.54,2523 3704.07,2585.53 3758.56,2585.53 3775.53,2602.5 3775.53,2684.47 P10.10
PG9: J2.46 U3.22 | length 2698.7
  Top Layer w6: J2.46 1489.06,2745.94 v1(1505,2730) ; v1(1688.5,2061) 1688.5,1856.5 1838,1707 1838,603.39 U3.22
  Bottom Layer w6: v1(1505,2730) 1505,2679.7 1573,2611.7 1573,2564.2 1573.5,2563.7 1573.5,2176 v1(1688.5,2061)
PG12: J2.49 P10.11 | length 3057.3
  Top Layer w6: v1(1380,2820) 1395,2805 J2.49
  Bottom Layer w6: v1(1380,2820) 1458.31,2898.31 3345,2898.31 3380,2863.31 3380,2633.94 3478.94,2535 3635,2535 3686.47,2586.47 3686.47,2763.47 3700,2777 3767,2777 P10.11
PG13: J2.50 P10.12 | length 2347.2
  Top Layer w6: J2.50@1442.16,2823.37 J2.50 1520.32,2824.68 v1(1535,2810) ; v1(3310,2775) 3370,2835 P10.12
  Bottom Layer w6: v1(1535,2810) 1554,2829 1590.7,2829 1619.7,2800 2380,2800 2405,2775 v1(3310,2775)
PG14: J2.51 U3.21 | length 2805.5
  Top Layer w6: J2.51 1542.33,2844.37 1571,2815.7 v1(1571,2807) ; v1(1730,2066) 1730,1831.97 1850,1711.97 1850,638.22 2063.08,425.14 U3.21
  Bottom Layer w6: v1(1571,2807) 1567,2807 1529,2769 1529,2681.3 1585.5,2624.8 1585.5,2210.5 v1(1730,2066)
PH2: J2.35 P10.13 | length 2905.2
  Top Layer w6: J2.35 1442.16,2528.09 2473.09,2528.09 2485,2540 v1(2570,2540)
  Bottom Layer w6: v1(2570,2540) 2956.97,2540 3009.97,2487 3831.49,2487 3875.53,2531.04 3875.53,2884.47 P10.13
PH3: J2.34 P10.14 | length 3085.9
  Top Layer w6: J2.34 v1(2569.72,2509.72)
  Bottom Layer w6: v1(2569.72,2509.72) 2970.28,2509.72 3005,2475 3845,2475 3887.53,2517.53 3887.53,2926.96 3840.96,2973.53 3763.53,2973.53 P10.14
PI11: J2.8 P10.15 | length 2620.5
  Top Layer w6: J2.8 1337.43,2883.74 v1(1380,2926.31)
  Bottom Layer w6: v1(1380,2926.31) 1400,2946.31 3441.31,2946.31 3568.53,3073.53 3786.47,3073.53 P10.15
SPEED_LED: EARTHNET1.9 R15.1 U2.2 | length 1460.9
  Top Layer w6: EARTHNET1.9 193.83,2004.58 660.12,2004.58 777,1887.7 v1(777,1859) ; U2.2 1164.53,1795.53 1175,1806 v1(1215,1806) 1335,1806 R15.1
  Bottom Layer w6: v1(777,1859) 800,1836 1022.3,1836 1053.3,1805 1214,1805 v1(1215,1806)
SWCLK: J2.60 R7.1 | length 732.9
  Top Layer w6: R7.1 1441,3498.37 1441,3021.69 J2.60
SWDIO: J1.5 R8.1 | length 3262.1
  Top Layer w6: v1(1160,3625) R8.1 ; v1(2612,3694) 2612,3658 2772.47,3497.53 2772.47,3449.1 3013,3208.57 3013,2631.27 2823.17,2441.44 2823.17,2401.83 2867.89,2357.11 J1.5
  Bottom Layer w6: v1(1160,3625) 1319,3784 2522,3784 v1(2612,3694)
TPRX+: C34.2 EARTHNET1.3 R12.1 U2.23 | length 1369.3
  Top Layer w6: U2.23 1279.53,1715.53 v1(1292.26,1728.26) 1305,1741 R12.1
  Bottom Layer w6: C34.2 466.8,1732.2 EARTHNET1.3 610,1671.2 610,1566.04 643.04,1533 821.03,1533 899.03,1455 1170,1455 1321,1606 1321,1704.7 1297.43,1728.26 v1(1292.26,1728.26)
TPRX-: C35.2 EARTHNET1.6 R13.1 U2.22 | length 1063
  Top Layer w6: U2.22 1218.57,1695 1219.57,1696 v1@1298.32,1696 ; v1(1300,1696) v1@1298.32,1696 ; R13.1 1328.32,1666 v1@1298.32,1696
  Bottom Layer w6: C35.2@719,1581 C35.2 EARTHNET1.6 686.2,1545 826,1545 904,1467 1165.03,1467 1302,1603.97 1302,1694 v1(1300,1696)
TPTX+: C32.2 EARTHNET1.1 R10.1 U2.21 | length 1236.9
  Top Layer w6: U2.21 1259.84,1676.16 v1(1281,1655) R10.1
  Bottom Layer w6: C32.2 549,1902 EARTHNET1.1 549,1799 605,1743 724.03,1743 829,1638.03 829,1612.03 951.03,1490 1160.97,1490 1281,1610.03 v1(1281,1655)
TPTX-: C33.2 EARTHNET1.2 R11.1 U2.20 | length 1265.9
  Top Layer w6: 1185,1441 1270,1441 R11.1 1295,1566 1295,1592.91 1231.44,1656.47 U2.20
  Bottom Layer w6: C33.2 648,1783.2 EARTHNET1.2 701.8,1782.2 841,1643 841,1617 956,1502 1156,1502 1260,1606 v1(1260,1626)
USB_N: U5.5 USB1.2 | length 152.2
  Top Layer w8: v1(3500.59,3685.59) USB1.2
  Bottom Layer w8: U5.5 3485.32,3670.32 v1(3500.59,3685.59)
USB_P: U5.4 USB1.3 | length 162.7
  Top Layer w8: v1(3450,3685) 3475,3710 USB1.3
  Bottom Layer w8: v1(3450,3685) 3465.63,3669.37 U5.4
pads on no net: EARTHNET1.7 IC1.0 J1.12 J1.13 J1.14 J1.15 J1.16 J1.17 J1.18 J1.19 J1.20 J1.21 J1.22 J1.23 J1.24 J1.25 J1.26 J1.27 J1.28 J1.29 J1.30 J1.36 J1.37 J1.38 J1.39 J1.40 J1.41 J1.42 J1.43 J1.44 J1.45 J1.46 J1.47 J1.48 J1.49 J1.50 J1.51 J1.52 J1.53 J1.54 J1.61 J1.62 J2.61 J2.62 P10.16 PHONE1.0 S2.1 S2.4 S2.5 S2.6 SDCard1.14 SDCard1.15 U1.2 U1.3 U1.4 U1.5 U1.6 U1.7 U1.12 U1.14 U1.15 U1.16 U1.17 U1.19 U1.21 U1.25 U2.10 U3.2 U3.4 U3.5 U3.6 U3.7 U3.9 U3.10 U3.11 U3.12 U3.13 U3.14 U3.17 U3.19 U3.20 U4.3 U4.6 U4.15 U4.19 U4.20 U4.21 U4.22 U5.0 U5.1 U5.2 U5.6 U5.9 U5.10 U5.11 U5.12 U5.13 U5.14 U5.15 U5.16 U5.17 U5.18 U5.19 U5.20 U5.21 U5.22 U5.23 U5.24 U5.27 U5.28 U5.29 USB1.4 USB1.6 USB1.7 USB1.8 USB1.9
copper on no net:
  other v2: 2932.19,1823.65 1310.92,2409.33 2932.19,2477.19 1310.92,3062.87

## Polygon pours and split planes (outlines as drawn)
NetC40_2 on Top Layer "Top Layer-NetBEEP1_2" (hatched 90Degree grid 4 track 5, remove dead copper, pour order 32): 932.97,975 833,975 833,655 928,655 932.97,655 932.97,689
NetD2_2 on Top Layer "Top Layer-NetBEEP1_2" (hatched 90Degree grid 4 track 5, remove dead copper, pour order 30): 644,793 782.5,793 782.5,824.5 802,824.5 802,971 802,988 751,988 727,989 727,985 727,984 727,964 727,880 644,880
NetD2_1 on Top Layer "TOP-No Net" (hatched 90Degree grid 4 track 5, remove dead copper, pour order 18): 474.8,765 730,765 730,620 475.77,620
NetC40_2 on Top Layer "TOP-No Net" (hatched 90Degree grid 4 track 5, remove dead copper, pour order 14): 870,400 1175,400 1175,540 1059.37,540 1059.37,710 870,710
NetD3_2 on Top Layer "TOP-No Net" (hatched 90Degree grid 4 track 5, remove dead copper, pour order 4): 1125,255 1355,255 1355,630 1200,630 1200,315 1125,315
5V on Top Layer "TOP-No Net" (hatched 90Degree grid 4 track 5, remove dead copper, pour order 6): 1405,849 1570,849 1655,849 1655,159 1505,159 1405,159
GND on Top Layer "Top Layer-NetBEEP1_2" (hatched 90Degree grid 4 track 5, remove dead copper, pour order 34): -277,3998 -260,3981 4160,3981 4160,-87 4374,-301 4276,-203 0,-203 -150,-203 -156,-209
GND on Bottom Layer "Top Layer-NetBEEP1_2" (hatched 90Degree grid 4 track 5, remove dead copper, pour order 36): -197,4073 -168,4102 4050,4102 4050,-163 4022,-191 4016,-185 -260,-185

## Keep-outs
Keep-Out Layer:
  lines w10: 0,3816.89 cw(c118.11,3816.89) 118.11,3935 3818.9,3935 cw(c3818.9,3816.89) 3937.01,3816.89 ; 0,3818.9 0,118.11 ccw(c118.11,118.11) 118.11,0 3818.9,0 ccw(c3818.9,118.11) 3937.01,118.11 3937.01,3818.9

## Other copper
Top Layer:
  rectangle net NetD3_2: 1150,283 1176.45,312.5
  rectangle net NetD3_2: 1055,255 1115,295
  rectangle net NetD3_2: 1125,290 1155,315
  pour cut-out: 1114,378.82 1114,394 1095,394 1095,379
  pour cut-out: 1155,395 1177.32,395 1181.32,391 1180,389.68 1180,380 1156.1,380

## Silkscreen, mask and mechanical layers (free items; w line width, h text height)
Top Overlay:
  drawing of 2680 lines, arcs and shapes, not listed
  text "USART1" at 2648,3852 h25
  text "3V3" at 839,3816 h25
  text "SWCLK" at 1319,3788 h25
  text "SWDIO" at 1010,3736 h25
  text "USART2" at 2642,3708 h25
  text "RST'" at 609,3644 h18
  text "3V3" at 2713,3554 h25
  text "5V" at 3196,3552 h25
  text "GND" at 2704,3429 h25
  text "GND" at 3196,3429 h25
  text "Audio" at 635,3350 h25
  text "MOTOR" at 3710,455 h25

## Text inside footprints (layer, text, board x,y; h text height)
BEEP1: Top Overlay "+" at 3808,1247 h118.11 r180